# KiCad board 32.Channel.Amp.kicad_pcb (continued)
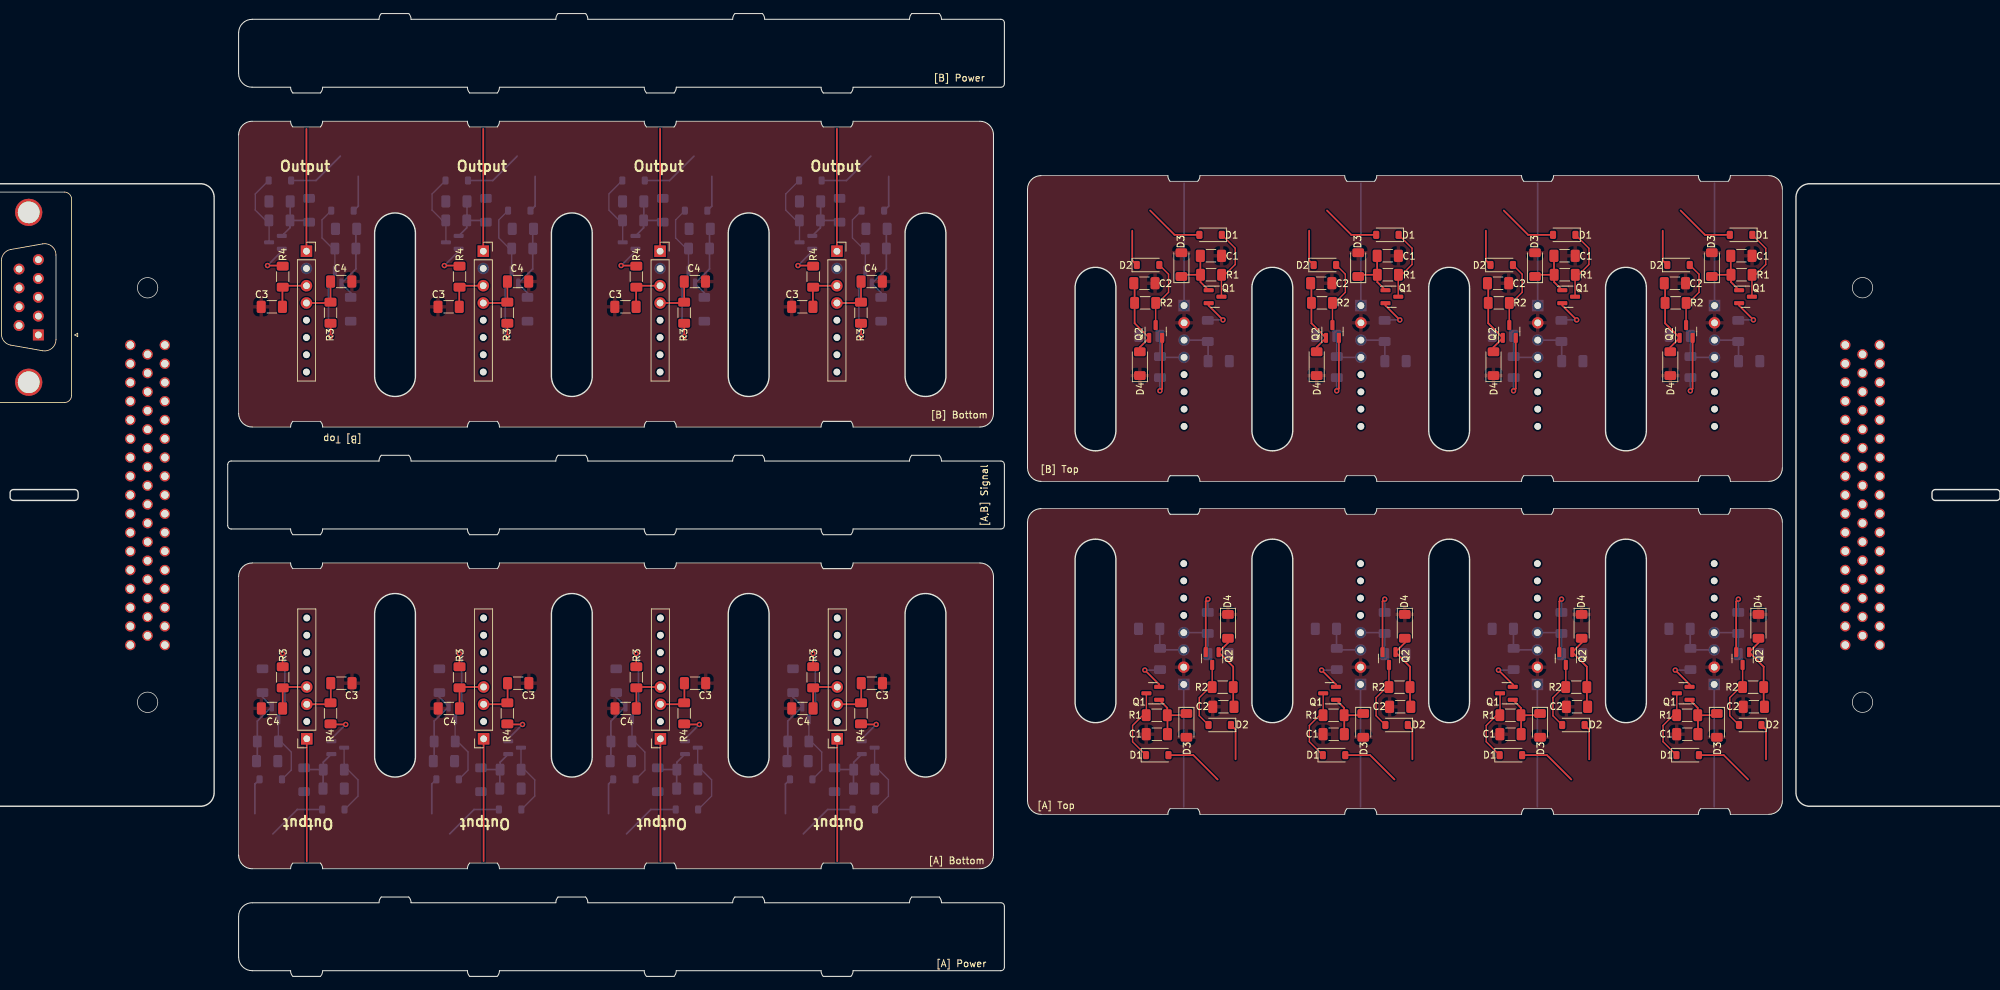
[diagram p0: board, top side]
## Placement (name value [footprint] x y rotation side) (continued)
R3#12  4.7  [R_1206_3216Metric_Pad1.30x1.75mm_HandSolder]  252.08 89.66 90 bottom
R3#13  4.7  [R_1206_3216Metric_Pad1.30x1.75mm_HandSolder]  207.11 52.01 270 bottom
R3#14  4.7  [R_1206_3216Metric_Pad1.30x1.75mm_HandSolder]  200.08 89.66 90 bottom
R3#15  4.7  [R_1206_3216Metric_Pad1.30x1.75mm_HandSolder]  174.08 89.66 90 bottom
R3#16  4.7  [R_1206_3216Metric_Pad1.30x1.75mm_HandSolder]  233.11 52.01 270 bottom
R4  4.7  [R_1206_3216Metric_Pad1.30x1.75mm_HandSolder]  71.08 102.97 270 top
R4#2  4.7  [R_1206_3216Metric_Pad1.30x1.75mm_HandSolder]  123.08 102.97 270 top
R4#3  4.7  [R_1206_3216Metric_Pad1.30x1.75mm_HandSolder]  78.11 38.7 90 top
R4#4  4.7  [R_1206_3216Metric_Pad1.30x1.75mm_HandSolder]  45.08 102.97 270 top
R4#5  4.7  [R_1206_3216Metric_Pad1.30x1.75mm_HandSolder]  97.08 102.97 270 top
R4#6  4.7  [R_1206_3216Metric_Pad1.30x1.75mm_HandSolder]  104.11 38.7 90 top
R4#7  4.7  [R_1206_3216Metric_Pad1.30x1.75mm_HandSolder]  130.11 38.7 90 top
R4#8  4.7  [R_1206_3216Metric_Pad1.30x1.75mm_HandSolder]  52.11 38.7 90 top
R4#9  4.7  [R_1206_3216Metric_Pad1.30x1.75mm_HandSolder]  259.11 94.97 270 bottom
R4#10  4.7  [R_1206_3216Metric_Pad1.30x1.75mm_HandSolder]  233.11 94.97 270 bottom
R4#11  4.7  [R_1206_3216Metric_Pad1.30x1.75mm_HandSolder]  226.08 46.7 90 bottom
R4#12  4.7  [R_1206_3216Metric_Pad1.30x1.75mm_HandSolder]  207.11 94.97 270 bottom
R4#13  4.7  [R_1206_3216Metric_Pad1.30x1.75mm_HandSolder]  181.11 94.97 270 bottom
R4#14  4.7  [R_1206_3216Metric_Pad1.30x1.75mm_HandSolder]  200.08 46.7 90 bottom
R4#15  4.7  [R_1206_3216Metric_Pad1.30x1.75mm_HandSolder]  252.08 46.7 90 bottom
R4#16  4.7  [R_1206_3216Metric_Pad1.30x1.75mm_HandSolder]  174.08 46.7 90 bottom
REF**  -  [CONN D-SUB PLUG 50POS RA SLDR]  277.38 72.22 90 top
REF**#2  -  [DSUB-9_Female_Vertical_P2.77x2.84mm_MountingHoles]  9.15 94.39 270 top
REF**#3  -  [CONN D-SUB PLUG 50POS RA SLDR]  25.21 69.45 270 top

## Library data of the parts
C1 C1#2-C1#16 C2 C2#2-C2#16 C3 C3#2-C3#16 C4 C4#2-C4#16 = -: Description: Unpolarized capacitor
D1 D1#2-D1#16 D2 D2#2-D2#16 = -: Description: 75V 0.15A Fast Switching Diode, SOD-123; Sim.Device: D; Sim.Pins: 1=K 2=A
D3 D3#2-D3#16 D4 D4#2-D4#16 = -: Description: 7.5V, 500mW, 2%, Zener diode, MiniMELF
J2 J2#2-J2#16 = -: Description: coaxial connector (BNC, SMA, SMB, SMC, Cinch/RCA, LEMO, ...)
Q1 Q1#2-Q1#16 = -: Description: 0.2A Ic, 40V Vce, Small Signal NPN Transistor, SOT-23
Q2 Q2#2-Q2#16 = -: Description: -0.2A Ic, -40V Vce, Small Signal PNP Transistor, SOT-23
R1 R1#2-R1#16 R2 R2#2-R2#16 R3 R3#2-R3#16 R4 R4#2-R4#16 = -: Description: Resistor, US symbol

## Footprints (pads in the part's own frame, mm; a bottom-side part is the same pattern mirrored in y, then rotated)
C_1206_3216Metric_Pad1.33x1.80mm_HandSolder
  rrect 1.325x1.8 smd: 1(-1.562,0) 2(1.562,0)
CONN D-SUB PLUG 50POS RA SLDR
  round 1.524 hole 1.1: 1(-23.46,2.54) 2(-20.7,2.54) 3(-17.94,2.54) 4(-15.18,2.54) 5(-12.42,2.54) 6(-9.66,2.54) 7(-6.9,2.54) 8(-4.14,2.54) 9(-1.38,2.54) 10(1.38,2.54) 11(4.14,2.54) 12(6.9,2.54) 13(9.66,2.54) 14(12.42,2.54) 15(15.18,2.54) 16(17.94,2.54) 17(20.7,2.54) 18(-22.08,0) 19(-19.32,0) 20(-16.56,0) 21(-13.8,0) 22(-11.04,0) 23(-8.28,0) 24(-5.52,0) 25(-2.76,0) 26(0,0) 27(2.76,0) 28(5.52,0) 29(8.28,0) 30(11.04,0) 31(13.8,0) 32(16.56,0) 33(19.32,0) 34(-23.46,-2.54) 35(-20.7,-2.54) 36(-17.94,-2.54) 37(-15.18,-2.54) 38(-12.42,-2.54) 39(-9.66,-2.54) 40(-6.9,-2.54) 41(-4.14,-2.54) 42(-1.38,-2.54) 43(1.38,-2.54) 44(4.14,-2.54) 45(6.9,-2.54) 46(9.66,-2.54) 47(12.42,-2.54) 48(15.18,-2.54) 49(17.94,-2.54) 50(20.7,-2.54)
D_MiniMELF
  rrect 1.3x1.7 smd: 1(-1.75,0) 2(1.75,0)
D_SOD-123
  rrect 0.9x1.2 smd: 1(-1.65,0) 2(1.65,0)
DSUB-9_Female_Vertical_P2.77x2.84mm_MountingHoles
  round 4 hole 3.2: 0(-18.04,-1.42) 0(6.96,-1.42)
  rect 1.6x1.6 hole 1: 1(0,0)
  round 1.6 hole 1: 2(-2.77,0) 3(-5.54,0) 4(-8.31,0) 5(-11.08,0) 6(-1.385,-2.84) 7(-4.155,-2.84) 8(-6.925,-2.84) 9(-9.695,-2.84)
PinSocket_1x08_P2.54mm_Vertical
  rect 1.7x1.7 hole 1: 1(0,0)
  oval 1.7x1.7 hole 1: 2(0,-2.54) 3(0,-5.08) 4(0,-7.62) 5(0,-10.16) 6(0,-12.7) 7(0,-15.24) 8(0,-17.78)
R_1206_3216Metric_Pad1.30x1.75mm_HandSolder
  rrect 1.3x1.75 smd: 1(-1.55,0) 2(1.55,0)
SOT-23
  rrect 1.475x0.6 smd: 1(-0.938,0.95) 2(-0.938,-0.95) 3(0.938,0)

## Nets
GND: C1.2 C1#2.2 C1#3.2 C1#4.2 C1#5.2 C1#6.2 C1#7.2 C1#8.2 C1#9.2 C1#10.2 C1#11.2 C1#12.2 C1#13.2 C1#14.2 C1#15.2 C1#16.2 C2.2 C2#2.2 C2#3.2 C2#4.2 C2#5.2 C2#6.2 C2#7.2 C2#8.2 C2#9.2 C2#10.2 C2#11.2 C2#12.2 C2#13.2 C2#14.2 C2#15.2 C2#16.2 D3.2 D3#2.2 D3#3.2 D3#4.2 D3#5.2 D3#6.2 D3#7.2 D3#8.2 D3#9.2 D3#10.2 D3#11.2 D3#12.2 D3#13.2 D3#14.2 D3#15.2 D3#16.2 D4.1 D4#2.1 D4#3.1 D4#4.1 D4#5.1 D4#6.1 D4#7.1 D4#8.1 D4#9.1 D4#10.1 D4#11.1 D4#12.1 D4#13.1 D4#14.1 D4#15.1 D4#16.1 J2.2 J2#2.2 J2#3.2 J2#4.2 J2#5.2 J2#6.2 J2#7.2 J2#8.2 J2#9.2 J2#10.2 J2#11.2 J2#12.2 J2#13.2 J2#14.2 J2#15.2 J2#16.2
GND1: C3.2 C3#2.2 C3#3.2 C3#4.2 C3#5.2 C3#6.2 C3#7.2 C3#8.2 C3#9.2 C3#10.2 C3#11.2 C3#12.2 C3#13.2 C3#14.2 C3#15.2 C3#16.2 C4.2 C4#2.2 C4#3.2 C4#4.2 C4#5.2 C4#6.2 C4#7.2 C4#8.2 C4#9.2 C4#10.2 C4#11.2 C4#12.2 C4#13.2 C4#14.2 C4#15.2 C4#16.2
+11: D1.1 D1#2.1 D1#3.1 D1#4.1 D1#5.1 D1#6.1 D1#7.1 D1#8.1 D1#9.1 D1#10.1 D1#11.1 D1#12.1 D1#13.1 D1#14.1 D1#15.1 D1#16.1 Q1.3 Q1#2.3 Q1#3.3 Q1#4.3 Q1#5.3 Q1#6.3 Q1#7.3 Q1#8.3 Q1#9.3 Q1#10.3 Q1#11.3 Q1#12.3 Q1#13.3 Q1#14.3 Q1#15.3 Q1#16.3 R1.1 R1#2.1 R1#3.1 R1#4.1 R1#5.1 R1#6.1 R1#7.1 R1#8.1 R1#9.1 R1#10.1 R1#11.1 R1#12.1 R1#13.1 R1#14.1 R1#15.1 R1#16.1
-11: D2.2 D2#2.2 D2#3.2 D2#4.2 D2#5.2 D2#6.2 D2#7.2 D2#8.2 D2#9.2 D2#10.2 D2#11.2 D2#12.2 D2#13.2 D2#14.2 D2#15.2 D2#16.2 Q2.3 Q2#2.3 Q2#3.3 Q2#4.3 Q2#5.3 Q2#6.3 Q2#7.3 Q2#8.3 Q2#9.3 Q2#10.3 Q2#11.3 Q2#12.3 Q2#13.3 Q2#14.3 Q2#15.3 Q2#16.3 R2.1 R2#2.1 R2#3.1 R2#4.1 R2#5.1 R2#6.1 R2#7.1 R2#8.1 R2#9.1 R2#10.1 R2#11.1 R2#12.1 R2#13.1 R2#14.1 R2#15.1 R2#16.1
Net-(D1-A): D1.2 D1#2.2 D1#3.2 D1#4.2 D1#5.2 D1#6.2 D1#7.2 D1#8.2 D1#9.2 D1#10.2 D1#11.2 D1#12.2 D1#13.2 D1#14.2 D1#15.2 D1#16.2
Net-(D2-K): D2.1 D2#2.1 D2#3.1 D2#4.1 D2#5.1 D2#6.1 D2#7.1 D2#8.1 D2#9.1 D2#10.1 D2#11.1 D2#12.1 D2#13.1 D2#14.1 D2#15.1 D2#16.1
Net-(D3-K): C1.1 C1#2.1 C1#3.1 C1#4.1 C1#5.1 C1#6.1 C1#7.1 C1#8.1 C1#9.1 C1#10.1 C1#11.1 C1#12.1 C1#13.1 C1#14.1 C1#15.1 C1#16.1 D3.1 D3#2.1 D3#3.1 D3#4.1 D3#5.1 D3#6.1 D3#7.1 D3#8.1 D3#9.1 D3#10.1 D3#11.1 D3#12.1 D3#13.1 D3#14.1 D3#15.1 D3#16.1 Q1.1 Q1#2.1 Q1#3.1 Q1#4.1 Q1#5.1 Q1#6.1 Q1#7.1 Q1#8.1 Q1#9.1 Q1#10.1 Q1#11.1 Q1#12.1 Q1#13.1 Q1#14.1 Q1#15.1 Q1#16.1 R1.2 R1#2.2 R1#3.2 R1#4.2 R1#5.2 R1#6.2 R1#7.2 R1#8.2 R1#9.2 R1#10.2 R1#11.2 R1#12.2 R1#13.2 R1#14.2 R1#15.2 R1#16.2
Net-(D4-A): C2.1 C2#2.1 C2#3.1 C2#4.1 C2#5.1 C2#6.1 C2#7.1 C2#8.1 C2#9.1 C2#10.1 C2#11.1 C2#12.1 C2#13.1 C2#14.1 C2#15.1 C2#16.1 D4.2 D4#2.2 D4#3.2 D4#4.2 D4#5.2 D4#6.2 D4#7.2 D4#8.2 D4#9.2 D4#10.2 D4#11.2 D4#12.2 D4#13.2 D4#14.2 D4#15.2 D4#16.2 Q2.1 Q2#2.1 Q2#3.1 Q2#4.1 Q2#5.1 Q2#6.1 Q2#7.1 Q2#8.1 Q2#9.1 Q2#10.1 Q2#11.1 Q2#12.1 Q2#13.1 Q2#14.1 Q2#15.1 Q2#16.1 R2.2 R2#2.2 R2#3.2 R2#4.2 R2#5.2 R2#6.2 R2#7.2 R2#8.2 R2#9.2 R2#10.2 R2#11.2 R2#12.2 R2#13.2 R2#14.2 R2#15.2 R2#16.2
Net-(J2-In): J2.1 J2#2.1 J2#3.1 J2#4.1 J2#5.1 J2#6.1 J2#7.1 J2#8.1 J2#9.1 J2#10.1 J2#11.1 J2#12.1 J2#13.1 J2#14.1 J2#15.1 J2#16.1
Net-(J4-Pin_3): C3.1 C3#2.1 C3#3.1 C3#4.1 C3#5.1 C3#6.1 C3#7.1 C3#8.1 C3#9.1 C3#10.1 C3#11.1 C3#12.1 C3#13.1 C3#14.1 C3#15.1 C3#16.1 R3.2 R3#2.2 R3#3.2 R3#4.2 R3#5.2 R3#6.2 R3#7.2 R3#8.2 R3#9.2 R3#10.2 R3#11.2 R3#12.2 R3#13.2 R3#14.2 R3#15.2 R3#16.2
Net-(J4-Pin_4): C4.1 C4#2.1 C4#3.1 C4#4.1 C4#5.1 C4#6.1 C4#7.1 C4#8.1 C4#9.1 C4#10.1 C4#11.1 C4#12.1 C4#13.1 C4#14.1 C4#15.1 C4#16.1 R4.2 R4#2.2 R4#3.2 R4#4.2 R4#5.2 R4#6.2 R4#7.2 R4#8.2 R4#9.2 R4#10.2 R4#11.2 R4#12.2 R4#13.2 R4#14.2 R4#15.2 R4#16.2
Net-(Q1-E): Q1.2 Q1#2.2 Q1#3.2 Q1#4.2 Q1#5.2 Q1#6.2 Q1#7.2 Q1#8.2 Q1#9.2 Q1#10.2 Q1#11.2 Q1#12.2 Q1#13.2 Q1#14.2 Q1#15.2 Q1#16.2 R3.1 R3#2.1 R3#3.1 R3#4.1 R3#5.1 R3#6.1 R3#7.1 R3#8.1 R3#9.1 R3#10.1 R3#11.1 R3#12.1 R3#13.1 R3#14.1 R3#15.1 R3#16.1
Net-(Q2-E): Q2.2 Q2#2.2 Q2#3.2 Q2#4.2 Q2#5.2 Q2#6.2 Q2#7.2 Q2#8.2 Q2#9.2 Q2#10.2 Q2#11.2 Q2#12.2 Q2#13.2 Q2#14.2 Q2#15.2 Q2#16.2 R4.1 R4#2.1 R4#3.1 R4#4.1 R4#5.1 R4#6.1 R4#7.1 R4#8.1 R4#9.1 R4#10.1 R4#11.1 R4#12.1 R4#13.1 R4#14.1 R4#15.1 R4#16.1

Pads without a net: J2 3 4 5 6 7 8; J2#2 3 4 5 6 7 8; J2#3 3 4 5 6 7 8; J2#4 3 4 5 6 7 8; J2#5 3 4 5 6 7 8; J2#6 3 4 5 6 7 8; J2#7 3 4 5 6 7 8; J2#8 3 4 5 6 7 8; J2#9 3 4 5 6 7 8; J2#10 3 4 5 6 7 8; J2#11 3 4 5 6 7 8; J2#12 3 4 5 6 7 8; J2#13 3 4 5 6 7 8; J2#14 3 4 5 6 7 8; J2#15 3 4 5 6 7 8; J2#16 3 4 5 6 7 8; REF** 1 2 3 4 5 6 7 8 9 10 11 12 13 14 15 16 17 18 19 20 21 22 23 24 25 26 27 28 29 30 31 32 33 34 35 36 37 38 39 40 41 42 43 44 45 46 47 48 49 50; REF**#2 0 1 2 3 4 5 6 7 8 9; REF**#3 1 2 3 4 5 6 7 8 9 10 11 12 13 14 15 16 17 18 19 20 21 22 23 24 25 26 27 28 29 30 31 32 33 34 35 36 37 38 39 40 41 42 43 44 45 46 47 48 49 50

## Via types
v1: diameter 0.8, hole 0.4, Top to Bottom, 32 vias

## Routing (per net, layer and track width the routed paths; a pad name or vN(x,y) marks a point on that pad's centre or on a via; arc(x,y) is an arc through that point)
(no net): length 458.2
  Top w0.25: J2#5.3 45.29,101.63 45.08,101.42 45.05,101.39 45.05,98.53 ; 199.96,42.61 199.96,42.97 v1(197.85,45.07) ; v1(45.07,47.51) 45.07,45.58 45.08,45.56 ; J2#8.3 123.29,101.63 123.08,101.42 123.05,101.39 123.05,98.53 ; 200.39,93.96 200.39,86.49 v1(200.07,86.17) ; J2#8.4 129.99,99.09 130.11,99.21 130.11,102.15 130.02,102.24 ; 226.39,93.96 226.39,86.49 v1(226.07,86.17) ; 123.08,104.52 123,104.6 v1(120.85,104.6) ; 78.11,37.15 78.19,37.07 v1(80.35,37.07) ; v1(181.13,55.51) 180.8,55.18 180.8,47.71 ; 78.11,96.11 78.13,96.1 v1(78.13,94.17) ; v1(104.13,94.17) 104.13,96.1 104.11,96.11 ; 123.08,45.56 123.07,45.58 v1(123.07,47.51) ; v1(97.07,47.51) 97.07,45.58 97.08,45.56 ; 71.08,104.52 71,104.6 v1(68.85,104.6) ; v1(252.07,86.17) 252.39,86.49 252.39,93.96 ; 52.11,96.11 52.13,96.1 v1(52.13,94.17) ; v1(174.07,86.17) 174.39,86.49 174.39,93.96 ; 104.02,102.24 104.11,102.15 104.11,99.21 103.99,99.09 J2#7.4 ; 104.11,37.15 104.19,37.07 v1(106.35,37.07) ; J2#3.3 71.29,101.63 71.08,101.42 71.05,101.39 71.05,98.53 ; J2#2.3 77.9,40.04 78.11,40.25 78.15,40.29 78.15,43.15 ; 123.18,39.43 123.08,39.53 123.08,42.46 123.2,42.58 J2#4.4 ; 206.8,47.71 206.8,55.18 v1(207.13,55.51) ; 130.11,37.15 130.19,37.07 v1(132.35,37.07) ; 233.24,99.07 233.24,98.71 v1(235.35,96.6) ; 225.96,42.61 225.96,42.97 v1(223.85,45.07) ; 130.11,96.11 130.13,96.1 v1(130.13,94.17) ; J2#4.3 129.9,40.04 130.11,40.25 130.15,40.29 130.15,43.15 ; v1(54.35,37.07) 52.19,37.07 52.11,37.15 ; J2#5.4 51.99,99.09 52.11,99.21 52.11,102.15 52.02,102.24 ; J2.3 103.9,40.04 104.11,40.25 104.15,40.29 104.15,43.15 ; 258.8,47.71 258.8,55.18 v1(259.13,55.51) ; 251.96,42.61 251.96,42.97 v1(249.85,45.07) ; 52.15,43.15 52.15,40.29 52.11,40.25 51.9,40.04 J2#6.3 ; 45.18,39.43 45.08,39.53 45.08,42.46 45.2,42.58 J2#6.4 ; 173.96,42.61 173.96,42.97 v1(171.85,45.07) ; J2#3.4 77.99,99.09 78.11,99.21 78.11,102.15 78.02,102.24 ; 232.8,47.71 232.8,55.18 v1(233.13,55.51) ; J2#2.4 71.2,42.58 71.08,42.46 71.08,39.53 71.18,39.43 ; 259.24,99.07 259.24,98.71 v1(261.35,96.6) ; 207.24,99.07 207.24,98.71 v1(209.35,96.6) ; v1(71.07,47.51) 71.07,45.58 71.08,45.56 ; 97.08,104.52 97,104.6 v1(94.85,104.6) ; J2.4 97.2,42.58 97.08,42.46 97.08,39.53 97.18,39.43 ; v1(183.35,96.6) 181.24,98.71 181.24,99.07 ; 97.05,98.53 97.05,101.39 97.08,101.42 97.29,101.63 J2#7.3 ; 45.08,104.52 45,104.6 v1(42.85,104.6)
  Bottom w0.25: 226.08,45.15 226,45.07 v1(223.85,45.07) ; 259.02,47.43 259.11,47.53 259.11,50.46 258.99,50.58 J2#14.4 ; 122.96,107.07 122.96,106.71 v1(120.85,104.6) ; 71.39,39.71 71.39,47.18 v1(71.07,47.51) ; 52.24,34.61 52.24,34.97 v1(54.35,37.07) ; J2#12.4 206.99,50.58 207.11,50.46 207.11,47.53 207.02,47.43 ; 103.8,101.96 103.8,94.49 v1(104.13,94.17) ; v1(235.35,96.6) 233.19,96.6 233.11,96.52 ; v1(200.07,86.17) 200.07,88.1 200.08,88.11 ; v1(226.07,86.17) 226.07,88.1 226.08,88.11 ; J2#9.4 252.2,91.09 252.08,91.21 252.08,94.15 252.18,94.24 ; 181.11,53.56 181.13,53.58 v1(181.13,55.51) ; 45.39,39.71 45.39,47.18 v1(45.07,47.51) ; v1(171.85,45.07) 174,45.07 174.08,45.15 ; J2#11.3 232.9,93.63 233.11,93.42 233.15,93.39 233.15,90.53 ; J2#14.3 252.29,48.04 252.08,48.25 252.05,48.29 252.05,51.15 ; 259.11,53.56 259.13,53.58 v1(259.13,55.51) ; 207.15,90.53 207.15,93.39 207.11,93.42 206.9,93.63 J2#15.3 ; 207.11,96.52 207.19,96.6 v1(209.35,96.6) ; J2#16.3 180.9,93.63 181.11,93.42 181.15,93.39 181.15,90.53 ; 181.02,47.43 181.11,47.53 181.11,50.46 180.99,50.58 J2#10.4 ; 174.18,94.24 174.08,94.15 174.08,91.21 174.2,91.09 J2#16.4 ; J2#12.3 200.29,48.04 200.08,48.25 200.05,48.29 200.05,51.15 ; v1(80.35,37.07) 78.24,34.97 78.24,34.61 ; v1(132.35,37.07) 130.24,34.97 130.24,34.61 ; v1(42.85,104.6) 44.96,106.71 44.96,107.07 ; 51.8,101.96 51.8,94.49 v1(52.13,94.17) ; 207.11,53.56 207.13,53.58 v1(207.13,55.51) ; 97.39,39.71 97.39,47.18 v1(97.07,47.51) ; J2#11.4 226.2,91.09 226.08,91.21 226.08,94.15 226.18,94.24 ; 252.08,45.15 252,45.07 v1(249.85,45.07) ; 200.18,94.24 200.08,94.15 200.08,91.21 200.2,91.09 J2#15.4 ; J2#13.3 226.29,48.04 226.08,48.25 226.05,48.29 226.05,51.15 ; v1(261.35,96.6) 259.19,96.6 259.11,96.52 ; 252.08,88.11 252.07,88.1 v1(252.07,86.17) ; 259.15,90.53 259.15,93.39 259.11,93.42 258.9,93.63 J2#9.3 ; v1(197.85,45.07) 200,45.07 200.08,45.15 ; 123.39,39.71 123.39,47.18 v1(123.07,47.51) ; 181.11,96.52 181.19,96.6 v1(183.35,96.6) ; J2#10.3 174.29,48.04 174.08,48.25 174.05,48.29 174.05,51.15 ; v1(78.13,94.17) 77.8,94.49 77.8,101.96 ; 104.24,34.61 104.24,34.97 v1(106.35,37.07) ; J2#13.4 232.99,50.58 233.11,50.46 233.11,47.53 233.02,47.43 ; 174.08,88.11 174.07,88.1 v1(174.07,86.17) ; v1(68.85,104.6) 70.96,106.71 70.96,107.07 ; v1(94.85,104.6) 96.96,106.71 96.96,107.07 ; v1(233.13,55.51) 233.13,53.58 233.11,53.56 ; 129.8,101.96 129.8,94.49 v1(130.13,94.17)
+11: length 176.8
  Top w0.2: Q1#7.3 198.08,38.46 R1#7.1 197.56,38.43 196.05,36.92 196.05,34.53 D1#8.1 ; D1#5.1 222.05,34.53 222.05,36.92 223.56,38.43 R1#3.1 224.08,38.46 Q1#5.3 ; D1#6.1 237.15,107.14 237.15,104.76 235.63,103.24 235.14,103.24 235.12,103.22 Q1#6.3 ; Q1.3 250.08,38.46 250.05,38.43 249.56,38.43 248.05,36.92 248.05,34.53 250.02,32.56 ; D1#7.1 185.15,107.14 185.15,104.76 183.63,103.24 183.14,103.24 183.12,103.22 Q1#3.3 ; Q1#2.3 261.12,103.22 R1#4.1 261.63,103.24 263.15,104.76 263.15,107.14 261.17,109.12 ; Q1#8.3 209.12,103.22 209.14,103.24 209.63,103.24 211.15,104.76 211.15,107.14 D1.1 ; Q1#4.3 172.08,38.46 R1#8.1 171.56,38.43 170.05,36.92 170.05,34.53 D1#4.1
  Bottom w0.2: Q1#13.3 69.08,111.22 R1#11.1 68.56,111.24 67.05,112.76 67.05,115.14 D1#10.1 ; Q1#16.3 106.12,30.46 R1#13.1 106.63,30.43 108.15,28.92 108.15,26.53 D1#14.1 ; D1#12.1 41.05,115.14 41.05,112.76 42.56,111.24 R1#10.1 43.08,111.22 Q1#12.3 ; D1#11.1 93.05,115.14 93.05,112.76 94.56,111.24 R1#9.1 95.08,111.22 Q1#11.3 ; Q1#9.3 54.12,30.46 R1#16.1 54.63,30.43 56.15,28.92 56.15,26.53 D1#9.1 ; D1#15.1 82.15,26.53 82.15,28.92 80.63,30.43 R1#14.1 80.12,30.46 Q1#14.3 ; D1#13.1 134.15,26.53 134.15,28.92 132.63,30.43 132.14,30.43 132.12,30.46 Q1#10.3 ; Q1#15.3 121.08,111.22 R1#15.1 120.56,111.24 119.05,112.76 119.05,115.14 D1#16.1
-11: length 166.2
  Top w0.2: Q2#2.3 259.75,42.57 R2#4.1 259.41,42.57 257.86,41.01 257.86,38.35 D2#5.2 ; D2.2 201.34,103.32 201.34,100.66 199.78,99.11 R2#8.1 199.44,99.1 Q2#3.3 ; D2#4.2 253.34,103.32 253.34,100.66 251.78,99.11 R2#6.1 251.44,99.1 Q2#5.3 ; Q2#6.3 225.44,99.1 R2#7.1 225.78,99.11 227.34,100.66 227.34,103.32 D2#7.2 ; Q2#4.3 181.75,42.57 R2.1 181.41,42.57 179.86,41.01 179.86,38.35 D2#3.2 ; D2#6.2 175.34,103.32 175.34,100.66 173.78,99.11 R2#5.1 173.44,99.1 Q2#8.3 ; D2#2.2 205.86,38.35 205.86,41.01 207.41,42.57 R2#3.1 207.75,42.57 Q2.3 ; D2#8.2 231.86,38.35 231.86,41.01 233.41,42.57 R2#2.1 233.75,42.57 Q2#7.3
  Bottom w0.2: Q2#14.3 70.44,34.57 R2#16.1 70.78,34.57 72.34,33.01 72.34,30.35 D2#15.2 ; Q2#10.3 96.44,34.57 R2#9.1 96.78,34.57 98.34,33.01 98.34,30.35 D2#13.2 ; Q2#11.3 130.75,107.1 R2#13.1 130.41,107.11 128.86,108.66 128.86,111.32 D2#9.2 ; D2#11.2 50.86,111.32 50.86,108.66 52.41,107.11 R2#11.1 52.75,107.1 Q2#16.3 ; Q2#12.3 44.44,34.57 R2#10.1 44.78,34.57 46.34,33.01 46.34,30.35 D2#16.2 ; Q2#9.3 122.44,34.57 R2#12.1 122.78,34.57 124.34,33.01 124.34,30.35 D2#14.2 ; D2#10.2 102.86,111.32 102.86,108.66 104.41,107.11 R2#15.1 104.75,107.1 Q2#15.3 ; D2#12.2 76.86,111.32 76.86,108.66 78.41,107.11 R2#14.1 78.75,107.1 Q2#13.3
Net-(D1-A): length 139.5
  Top w0.25: 198.64,112.7 202.22,109.12 205.87,109.12 ; D1#4.2 178.98,32.56 182.56,28.98 ; 224.64,112.7 228.22,109.12 231.87,109.12 ; D1#3.2 256.98,32.56 260.56,28.98 ; 234.56,28.98 230.98,32.56 D1#5.2 ; 179.87,109.12 176.22,109.12 172.64,112.7 ; D1#2.2 254.22,109.12 250.64,112.7 ; D1#8.2 204.98,32.56 208.56,28.98
  Bottom w0.25: 105.56,120.7 101.98,117.12 D1#11.2 ; 43.64,20.98 47.22,24.56 D1#9.2 ; D1#15.2 73.22,24.56 69.64,20.98 ; D1#10.2 75.98,117.12 79.56,120.7 ; 95.64,20.98 99.22,24.56 D1#14.2 ; 121.64,20.98 125.22,24.56 128.87,24.56 ; D1#16.2 127.98,117.12 131.56,120.7 ; D1#12.2 49.98,117.12 53.56,120.7
Net-(D2-K): length 85.1
  Top w0.25: D2#7.1 222,105.36 222,109.72 ; D2#5.1 263.19,36.32 263.19,31.95 ; 170,109.72 170,105.36 D2#6.1 ; D2.1 196,105.36 196,109.72 ; 248,109.72 248,105.36 D2#4.1 ; 185.19,31.95 185.19,36.32 D2#3.1 ; D2#2.1 211.19,36.32 211.19,31.95 ; D2#8.1 237.19,36.32 237.19,31.95
  Bottom w0.25: D2#11.1 56.19,113.36 56.19,117.72 ; 82.19,117.72 82.19,113.36 D2#12.1 ; 93,23.95 93,28.32 D2#13.1 ; 134.19,117.72 134.19,113.36 D2#9.1 ; 119,23.95 119,28.32 D2#14.1 ; 108.19,117.72 108.19,113.36 D2#10.1 ; D2#16.1 41,28.32 41,23.95 ; 67,23.95 67,28.32 D2#15.1
Net-(D3-K): length 141.6
  Top w0.25: R1#8.2 175.18,38.4 C1#6.1 ; R1#8.2 175.15,39.51 Q1#4.1 ; R1#8.2 177.71,38.43 D3#4.1 ; D3#5.1 203.48,103.24 R1#2.2 ; 203.3,102.99 203.55,103.24 ; R1.2 177.48,103.24 D3.1 ; R1.2 180.01,103.27 C1#7.1 ; R1.2 180.04,102.17 181.24,100.97 ; R1#2.2 206.04,102.17 207.24,100.97 ; R1#2.2 206.01,103.27 C1#8.1 ; 177.3,102.99 177.55,103.24 ; D3#8.1 255.71,38.43 R1#5.2 ; Q1.1 253.15,39.51 R1#5.2 ; R1#4.2 258.04,102.17 259.24,100.97 ; R1#4.2 258.01,103.27 C1#2.1 ; R1#4.2 255.48,103.24 D3#3.1 ; R1#3.2 229.71,38.43 D3#6.1 ; R1#3.2 227.18,38.4 C1#4.1 ; R1#3.2 227.15,39.51 Q1#5.1 ; 233.24,100.97 232.04,102.17 R1#6.2 ; R1#7.2 201.15,39.51 Q1#7.1 ; R1#7.2 203.71,38.43 D3#2.1 ; R1#7.2 201.18,38.4 C1#3.1 ; R1#6.2 229.48,103.24 D3#7.1 ; R1#6.2 232.01,103.27 C1#5.1 ; 229.3,102.99 229.55,103.24 ; 177.89,38.68 177.64,38.43 ; 255.3,102.99 255.55,103.24 ; R1#5.2 253.18,38.4 C1.1 ; 203.89,38.68 203.64,38.43 ; 255.89,38.68 255.64,38.43 ; 229.89,38.68 229.64,38.43
  Bottom w0.25: 44.96,108.97 46.15,110.17 R1#10.2 ; R1#10.2 46.18,111.27 C1#13.1 ; R1#10.2 48.71,111.24 D3#11.1 ; R1#11.2 74.71,111.24 D3#10.1 ; R1#11.2 72.15,110.17 70.96,108.97 ; R1#11.2 72.18,111.27 C1#11.1 ; 126.89,110.99 126.64,111.24 ; 122.96,108.97 124.15,110.17 R1#15.2 ; C1#10.1 124.18,111.27 R1#15.2 ; 126.3,30.68 126.55,30.43 ; R1#14.2 77.04,31.51 Q1#14.1 ; R1#14.2 77.01,30.4 C1#14.1 ; R1#14.2 74.48,30.43 D3#9.1 ; C1#12.1 103.01,30.4 R1#13.2 ; D3#15.1 100.48,30.43 R1#13.2 ; 48.3,30.68 48.55,30.43 ; 100.89,110.99 100.64,111.24 ; C1#9.1 51.01,30.4 R1#16.2 ; R1#9.2 100.71,111.24 D3#14.1 ; R1#9.2 98.15,110.17 96.96,108.97 ; R1#9.2 98.18,111.27 C1#15.1 ; Q1#10.1 129.04,31.51 R1#12.2 ; D3#12.1 126.48,30.43 R1#12.2 ; R1#15.2 126.71,111.24 D3#16.1 ; 74.3,30.68 74.55,30.43 ; R1#13.2 103.04,31.51 Q1#16.1 ; 74.89,110.99 74.64,111.24 ; R1#12.2 129.01,30.4 C1#16.1 ; R1#16.2 51.04,31.51 Q1#9.1 ; R1#16.2 48.48,30.43 D3#13.1 ; 48.89,110.99 48.64,111.24 ; 100.3,30.68 100.55,30.43
Net-(D4-A): length 196.2
  Top w0.25: C2#2.1 184.85,39.79 R2.2 184.85,45.57 Q2#4.1 184.08,49.09 D4#3.2 ; C2#8.1 222.35,101.89 R2#7.2 222.35,96.11 Q2#6.1 223.12,92.59 D4#6.2 ; 262.96,42.08 262.49,42.55 ; 248.23,99.6 248.7,99.13 ; D4.2 262.08,49.09 Q2#2.1 262.85,45.57 R2#4.2 262.85,39.79 C2#3.1 ; 210.96,42.08 210.49,42.55 ; 170.23,99.6 170.7,99.13 ; D4#8.2 210.08,49.09 Q2.1 210.85,45.57 R2#3.2 210.85,39.79 C2.1 ; D4#7.2 197.12,92.59 Q2#3.1 196.35,96.11 R2#8.2 196.35,101.89 C2#4.1 ; 184.96,42.08 184.49,42.55 ; 196.23,99.6 196.7,99.13 ; D4#5.2 171.12,92.59 Q2#8.1 170.35,96.11 R2#5.2 170.35,101.89 C2#7.1 ; D4#2.2 249.12,92.59 Q2#5.1 248.35,96.11 R2#6.2 248.35,101.89 C2#6.1 ; D4#4.2 236.08,49.09 Q2#7.1 236.85,45.57 R2#2.2 236.85,39.79 C2#5.1 ; 222.23,99.6 222.7,99.13 ; 236.96,42.08 236.49,42.55
  Bottom w0.25: C2#16.1 41.35,31.79 R2#10.2 41.35,37.57 Q2#12.1 42.12,41.09 D4#9.2 ; D4#10.2 120.12,41.09 Q2#9.1 119.35,37.57 R2#12.2 119.35,31.79 C2#15.1 ; D4#14.2 107.08,100.59 Q2#15.1 107.85,104.11 R2#15.2 107.85,109.89 C2#11.1 ; D4#16.2 133.08,100.59 Q2#11.1 133.85,104.11 R2#13.2 133.85,109.89 C2#9.1 ; C2#12.1 55.85,109.89 R2#11.2 55.85,104.11 Q2#16.1 55.08,100.59 D4#13.2 ; 133.96,107.6 133.49,107.13 ; D4#15.2 81.08,100.59 Q2#13.1 81.85,104.11 R2#14.2 81.85,109.89 C2#14.1 ; D4#12.2 94.12,41.09 Q2#10.1 93.35,37.57 R2#9.2 93.35,31.79 C2#10.1 ; 81.96,107.6 81.49,107.13 ; C2#13.1 67.35,31.79 R2#16.2 67.35,37.57 Q2#14.1 68.12,41.09 D4#11.2 ; 67.23,34.08 67.7,34.55 ; 119.23,34.08 119.7,34.55 ; 107.96,107.6 107.49,107.13 ; 93.23,34.08 93.7,34.55 ; 55.96,107.6 55.49,107.13 ; 41.23,34.08 41.7,34.55
Net-(J2-In): length 288
  Top w0.25: J2#5.1 48.57,124.71 ; J2#2.1 74.62,16.96 ; J2#6.1 48.62,16.96 ; J2#7.1 100.57,124.71 ; J2#4.1 126.62,16.96 ; J2.1 100.62,16.96 ; J2#3.1 74.57,124.71 ; J2#8.1 126.57,124.71
  Bottom w0.25: J2#11.1 229.62,116.71 ; J2#13.1 229.57,24.96 ; J2#14.1 255.57,24.96 ; J2#10.1 177.57,24.96 ; J2#9.1 255.62,116.71 ; J2#15.1 203.62,116.71 ; J2#16.1 177.62,116.71 ; J2#12.1 203.57,24.96

## Copper pours and planes (outline as drawn; the poured copper is in the pictures)
GND on Top, In1.Cu: 154.61,116.16 154.85,116.83 155.3,117.38 155.96,117.76 156.55,117.84 175.24,117.84 175.31,117.44 175.44,117.17 175.55,117.02 175.58,116.99 179.59,116.99 179.77,117.17 179.92,117.54 179.96,117.83 201.23,117.83 201.28,117.54 201.36,117.32 201.52,117.07 201.6,116.99 205.59,116.99 205.85,117.33 205.93,117.6 205.97,117.83 227.24,117.83 227.26,117.64 227.38,117.28 227.52,117.06 227.58,117 231.62,117 231.88,117.38 231.96,117.83 253.24,117.83 253.34,117.35 253.54,117.05 253.61,116.98 257.6,116.98 257.73,117.11 257.9,117.47 257.96,117.84 263.58,117.84 263.99,117.8 264.44,117.66 264.83,117.43 265.18,117.11 265.43,116.68 265.57,116.3 265.62,115.88 265.63,74.89 265.57,74.29 265.41,73.89 265.08,73.43 264.42,72.98 263.74,72.81 257.95,72.81 257.85,73.29 257.68,73.58 257.61,73.65 253.6,73.65 253.43,73.47 253.32,73.22 253.26,72.96 253.24,72.83 231.94,72.83 231.87,73.26 231.65,73.59 231.59,73.65 227.59,73.65 227.41,73.46 227.3,73.18 227.25,72.83 205.96,72.83 205.88,73.23 205.7,73.54 205.58,73.66 201.59,73.66 201.31,73.23 201.23,72.83 179.97,72.82 179.87,73.25 179.72,73.53 179.6,73.64 175.56,73.64 175.31,73.26 175.24,72.82 156.67,72.82 156.21,72.86 155.75,73 155.39,73.22 155.03,73.56 154.77,73.95 154.62,74.45 154.58,74.77 154.58,115.12
GND on Top, In1.Cu: 154.61,67.16 154.85,67.83 155.3,68.38 155.96,68.76 156.55,68.84 175.24,68.84 175.31,68.44 175.44,68.17 175.55,68.02 175.58,67.99 179.59,67.99 179.77,68.17 179.92,68.54 179.96,68.83 201.23,68.83 201.28,68.54 201.36,68.32 201.52,68.07 201.6,67.99 205.59,67.99 205.85,68.33 205.93,68.6 205.97,68.83 227.24,68.83 227.26,68.64 227.38,68.28 227.52,68.06 227.58,68 231.62,68 231.88,68.38 231.96,68.83 253.24,68.83 253.34,68.35 253.54,68.05 253.61,67.98 257.6,67.98 257.73,68.11 257.9,68.47 257.96,68.84 263.58,68.84 263.99,68.8 264.44,68.66 264.83,68.43 265.18,68.11 265.43,67.68 265.57,67.3 265.62,66.88 265.63,25.89 265.57,25.29 265.41,24.89 265.08,24.43 264.42,23.98 263.74,23.81 257.95,23.81 257.85,24.29 257.68,24.58 257.61,24.65 253.6,24.65 253.43,24.47 253.32,24.22 253.26,23.96 253.24,23.83 231.94,23.83 231.87,24.26 231.65,24.59 231.59,24.65 227.59,24.65 227.41,24.46 227.3,24.18 227.25,23.83 205.96,23.83 205.88,24.23 205.7,24.54 205.58,24.66 201.59,24.66 201.31,24.23 201.23,23.83 179.97,23.82 179.87,24.25 179.72,24.53 179.6,24.64 175.56,24.64 175.31,24.26 175.24,23.82 156.67,23.82 156.21,23.86 155.75,24 155.39,24.22 155.03,24.56 154.77,24.95 154.62,25.45 154.58,25.77 154.58,66.12
GND on Bottom, In2.Cu: 149.59,82.52 149.35,81.84 148.9,81.29 148.24,80.92 147.65,80.84 128.96,80.84 128.89,81.24 128.76,81.51 128.65,81.65 128.62,81.69 124.61,81.69 124.43,81.51 124.28,81.14 124.24,80.84 102.97,80.84 102.92,81.13 102.84,81.36 102.68,81.61 102.6,81.68 98.61,81.68 98.35,81.34 98.27,81.07 98.23,80.85 76.96,80.85 76.94,81.03 76.82,81.39 76.68,81.62 76.62,81.68 72.58,81.68 72.32,81.29 72.24,80.85 50.96,80.85 50.86,81.33 50.66,81.63 50.59,81.69 46.6,81.69 46.47,81.57 46.3,81.21 46.24,80.84 40.62,80.84 40.21,80.88 39.76,81.01 39.37,81.24 39.02,81.57 38.77,82 38.63,82.37 38.58,82.8 38.57,123.79 38.63,124.38 38.79,124.78 39.12,125.25 39.78,125.7 40.46,125.86 46.25,125.86 46.35,125.38 46.52,125.1 46.59,125.03 50.6,125.03 50.77,125.21 50.88,125.45 50.94,125.72 50.96,125.85 72.26,125.85 72.33,125.41 72.55,125.09 72.61,125.02 76.61,125.02 76.79,125.22 76.9,125.5 76.95,125.85 98.24,125.85 98.32,125.44 98.5,125.14 98.62,125.02 102.61,125.02 102.89,125.44 102.97,125.85 124.23,125.86 124.33,125.42 124.48,125.15 124.6,125.03 128.64,125.03 128.89,125.42 128.96,125.85 147.53,125.85 147.99,125.82 148.45,125.68 148.81,125.46 149.17,125.12 149.43,124.72 149.58,124.23 149.62,123.9 149.62,83.56
GND on Bottom, In2.Cu: 149.59,17.52 149.35,16.84 148.9,16.29 148.24,15.92 147.65,15.84 128.96,15.84 128.89,16.24 128.76,16.51 128.65,16.65 128.62,16.69 124.61,16.69 124.43,16.51 124.28,16.14 124.24,15.84 102.97,15.84 102.92,16.13 102.84,16.36 102.68,16.61 102.6,16.68 98.61,16.68 98.35,16.34 98.27,16.07 98.23,15.85 76.96,15.85 76.94,16.03 76.82,16.39 76.68,16.62 76.62,16.68 72.58,16.68 72.32,16.29 72.24,15.85 50.96,15.85 50.86,16.33 50.66,16.63 50.59,16.69 46.6,16.69 46.47,16.57 46.3,16.21 46.24,15.84 40.62,15.84 40.21,15.88 39.76,16.01 39.37,16.24 39.02,16.57 38.77,17 38.63,17.37 38.58,17.8 38.57,58.79 38.63,59.38 38.79,59.78 39.12,60.25 39.78,60.7 40.46,60.86 46.25,60.86 46.35,60.38 46.52,60.1 46.59,60.03 50.6,60.03 50.77,60.21 50.88,60.45 50.94,60.72 50.96,60.85 72.26,60.85 72.33,60.41 72.55,60.09 72.61,60.02 76.61,60.02 76.79,60.22 76.9,60.5 76.95,60.85 98.24,60.85 98.32,60.44 98.5,60.14 98.62,60.02 102.61,60.02 102.89,60.44 102.97,60.85 124.23,60.86 124.33,60.42 124.48,60.15 124.6,60.03 128.64,60.03 128.89,60.42 128.96,60.85 147.53,60.85 147.99,60.82 148.45,60.68 148.81,60.46 149.17,60.12 149.43,59.72 149.58,59.23 149.62,58.9 149.62,18.56
GND1 on Top, In1.Cu: 149.59,82.52 149.35,81.84 148.9,81.29 148.24,80.92 147.65,80.84 128.96,80.84 128.89,81.24 128.76,81.51 128.65,81.65 128.62,81.69 124.61,81.69 124.43,81.51 124.28,81.14 124.24,80.84 102.97,80.84 102.92,81.13 102.84,81.36 102.68,81.61 102.6,81.68 98.61,81.68 98.35,81.34 98.27,81.07 98.23,80.85 76.96,80.85 76.94,81.03 76.82,81.39 76.68,81.62 76.62,81.68 72.58,81.68 72.32,81.29 72.24,80.85 50.96,80.85 50.86,81.33 50.66,81.63 50.59,81.69 46.6,81.69 46.47,81.57 46.3,81.21 46.24,80.84 40.62,80.84 40.21,80.88 39.76,81.01 39.37,81.24 39.02,81.57 38.77,82 38.63,82.37 38.58,82.8 38.57,123.79 38.63,124.38 38.79,124.78 39.12,125.25 39.78,125.7 40.46,125.86 46.25,125.86 46.35,125.38 46.52,125.1 46.59,125.03 50.6,125.03 50.77,125.21 50.88,125.45 50.94,125.72 50.96,125.85 72.26,125.85 72.33,125.41 72.55,125.09 72.61,125.02 76.61,125.02 76.79,125.22 76.9,125.5 76.95,125.85 98.24,125.85 98.32,125.44 98.5,125.14 98.62,125.02 102.61,125.02 102.89,125.44 102.97,125.85 124.23,125.86 124.33,125.42 124.48,125.15 124.6,125.03 128.64,125.03 128.89,125.42 128.96,125.85 147.53,125.85 147.99,125.82 148.45,125.68 148.81,125.46 149.17,125.12 149.43,124.72 149.58,124.23 149.62,123.9 149.62,83.56
GND1 on Top, In1.Cu: 149.59,17.52 149.35,16.84 148.9,16.29 148.24,15.92 147.65,15.84 128.96,15.84 128.89,16.24 128.76,16.51 128.65,16.65 128.62,16.69 124.61,16.69 124.43,16.51 124.28,16.14 124.24,15.84 102.97,15.84 102.92,16.13 102.84,16.36 102.68,16.61 102.6,16.68 98.61,16.68 98.35,16.34 98.27,16.07 98.23,15.85 76.96,15.85 76.94,16.03 76.82,16.39 76.68,16.62 76.62,16.68 72.58,16.68 72.32,16.29 72.24,15.85 50.96,15.85 50.86,16.33 50.66,16.63 50.59,16.69 46.6,16.69 46.47,16.57 46.3,16.21 46.24,15.84 40.62,15.84 40.21,15.88 39.76,16.01 39.37,16.24 39.02,16.57 38.77,17 38.63,17.37 38.58,17.8 38.57,58.79 38.63,59.38 38.79,59.78 39.12,60.25 39.78,60.7 40.46,60.86 46.25,60.86 46.35,60.38 46.52,60.1 46.59,60.03 50.6,60.03 50.77,60.21 50.88,60.45 50.94,60.72 50.96,60.85 72.26,60.85 72.33,60.41 72.55,60.09 72.61,60.02 76.61,60.02 76.79,60.22 76.9,60.5 76.95,60.85 98.24,60.85 98.32,60.44 98.5,60.14 98.62,60.02 102.61,60.02 102.89,60.44 102.97,60.85 124.23,60.86 124.33,60.42 124.48,60.15 124.6,60.03 128.64,60.03 128.89,60.42 128.96,60.85 147.53,60.85 147.99,60.82 148.45,60.68 148.81,60.46 149.17,60.12 149.43,59.72 149.58,59.23 149.62,58.9 149.62,18.56
GND1 on Bottom, In2.Cu: 154.61,67.16 154.85,67.83 155.3,68.38 155.96,68.76 156.55,68.84 175.24,68.84 175.31,68.44 175.44,68.17 175.55,68.02 175.58,67.99 179.59,67.99 179.77,68.17 179.92,68.54 179.96,68.83 201.23,68.83 201.28,68.54 201.36,68.32 201.52,68.07 201.6,67.99 205.59,67.99 205.85,68.33 205.93,68.6 205.97,68.83 227.24,68.83 227.26,68.64 227.38,68.28 227.52,68.06 227.58,68 231.62,68 231.88,68.38 231.96,68.83 253.24,68.83 253.34,68.35 253.54,68.05 253.61,67.98 257.6,67.98 257.73,68.11 257.9,68.47 257.96,68.84 263.58,68.84 263.99,68.8 264.44,68.66 264.83,68.43 265.18,68.11 265.43,67.68 265.57,67.3 265.62,66.88 265.63,25.89 265.57,25.29 265.41,24.89 265.08,24.43 264.42,23.98 263.74,23.81 257.95,23.81 257.85,24.29 257.68,24.58 257.61,24.65 253.6,24.65 253.43,24.47 253.32,24.22 253.26,23.96 253.24,23.83 231.94,23.83 231.87,24.26 231.65,24.59 231.59,24.65 227.59,24.65 227.41,24.46 227.3,24.18 227.25,23.83 205.96,23.83 205.88,24.23 205.7,24.54 205.58,24.66 201.59,24.66 201.31,24.23 201.23,23.83 179.97,23.82 179.87,24.25 179.72,24.53 179.6,24.64 175.56,24.64 175.31,24.26 175.24,23.82 156.67,23.82 156.21,23.86 155.75,24 155.39,24.22 155.03,24.56 154.77,24.95 154.62,25.45 154.58,25.77 154.58,66.12
GND1 on Bottom, In2.Cu: 154.61,116.16 154.85,116.83 155.3,117.38 155.96,117.76 156.55,117.84 175.24,117.84 175.31,117.44 175.44,117.17 175.55,117.02 175.58,116.99 179.59,116.99 179.77,117.17 179.92,117.54 179.96,117.83 201.23,117.83 201.28,117.54 201.36,117.32 201.52,117.07 201.6,116.99 205.59,116.99 205.85,117.33 205.93,117.6 205.97,117.83 227.24,117.83 227.26,117.64 227.38,117.28 227.52,117.06 227.58,117 231.62,117 231.88,117.38 231.96,117.83 253.24,117.83 253.34,117.35 253.54,117.05 253.61,116.98 257.6,116.98 257.73,117.11 257.9,117.47 257.96,117.84 263.58,117.84 263.99,117.8 264.44,117.66 264.83,117.43 265.18,117.11 265.43,116.68 265.57,116.3 265.62,115.88 265.63,74.89 265.57,74.29 265.41,73.89 265.08,73.43 264.42,72.98 263.74,72.81 257.95,72.81 257.85,73.29 257.68,73.58 257.61,73.65 253.6,73.65 253.43,73.47 253.32,73.22 253.26,72.96 253.24,72.83 231.94,72.83 231.87,73.26 231.65,73.59 231.59,73.65 227.59,73.65 227.41,73.46 227.3,73.18 227.25,72.83 205.96,72.83 205.88,73.23 205.7,73.54 205.58,73.66 201.59,73.66 201.31,73.23 201.23,72.83 179.97,72.82 179.87,73.25 179.72,73.53 179.6,73.64 175.56,73.64 175.31,73.26 175.24,72.82 156.67,72.82 156.21,72.86 155.75,73 155.39,73.22 155.03,73.56 154.77,73.95 154.62,74.45 154.58,74.77 154.58,115.12

## Text on the board
B.Silkscreen: [B] Top | Output
F.Silkscreen: [A] Bottom | [B] Bottom | [B] Power | [A] Power | [A] Top | [B] Top | [A,B] Signal | Output
